# Allegro board rt1064_brkout_new_mem_layout.brd (continued)
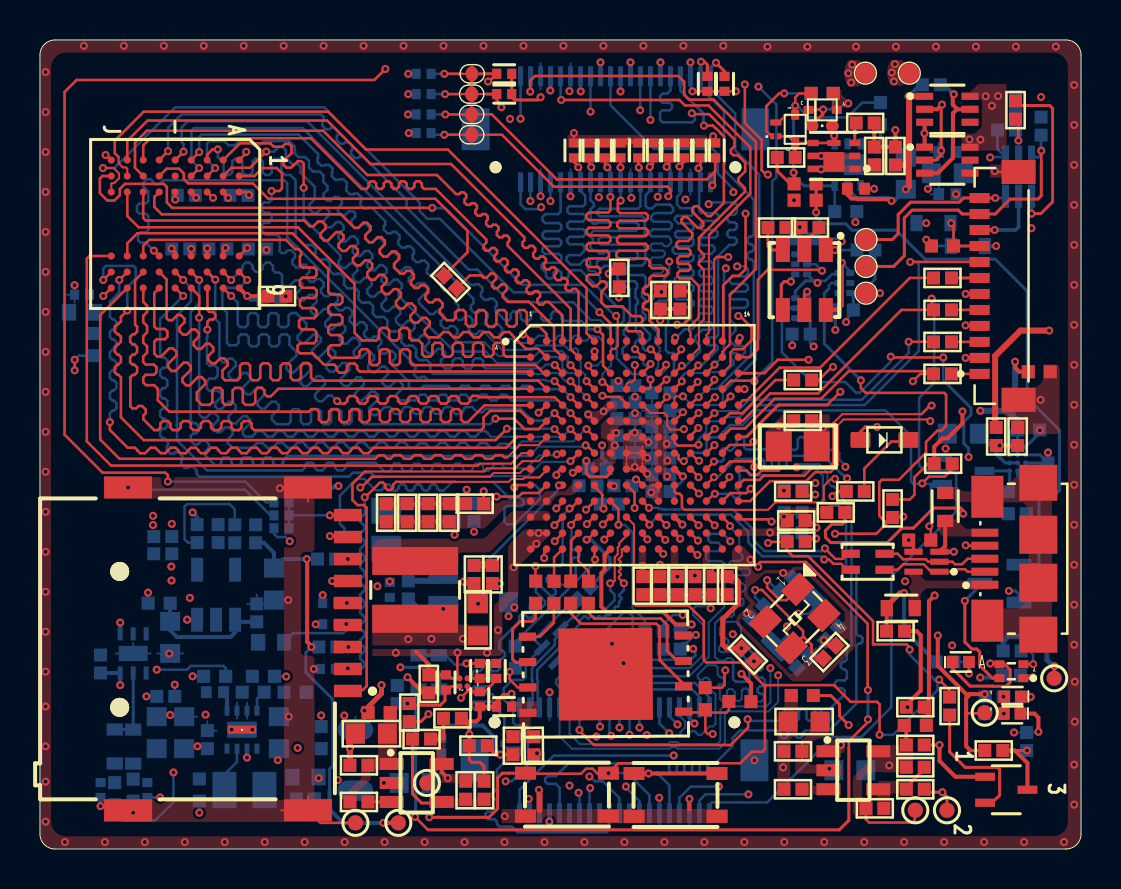
[diagram p0: board, top side]
## Footprints (pads in the part's own frame, mm; a bottom-side part is the same pattern mirrored in y, then rotated) (continued)
IND_18A-101M
  rect 1.397x4.293 smd: 1(-1.448,0) 2(1.448,0)
IND_1608
  rect 0.61x0.813 smd: 1(-0.7,0) 2(0.7,0)
INDC2016X100N
  rect 1.2x1.82 smd: 1(-1,0) 2(1,0)
IS25WP064A-JKLE_ISI
  rect 0.864x0.406 smd: 1(-3.898,1.905) 2(-3.898,0.635) 3(-3.898,-0.635) 4(-3.898,-1.905) 5(3.898,-1.905) 6(3.898,-0.635) 7(3.898,0.635) 8(3.898,1.905)
  rect 4.699x4.597 smd: 9(0,0)
JST_SM12B-SURS-TFLFSN
  rect 0.5x1 smd: 1(-4.4,0) 2(-3.6,0) 3(-2.8,0) 4(-2,0) 5(-1.2,0) 6(-0.4,0) 7(0.4,0) 8(1.2,0) 9(2,0) 10(2.8,0) 11(3.6,0) 12(4.4,0)
  rect 1.2x1.7 smd: S1(-5.7,-1.95) S2(5.7,-1.95)
LED_XZVGMDK53W-9
  rect 0.5x0.4 smd: 1(0.6,-0.35) 2(-0.6,-0.35) 3(0.6,0.35) 4(-0.6,0.35)
LEDC1005X35N_GRN
  custom 0.59x0.61 smd: A(0.415,0) C(-0.415,0)
MICROFET6_2X2_ONS
  rect 0.55x0.32 smd: 1(-1.041,0.65) 2(-1.041,0) 3(-1.041,-0.65) 4(1.041,-0.65) 5(1.041,0) 6(1.041,0.65)
  rect 1.041x0.991 smd: 7(0,0.3)
  rect 0.66x0.305 smd: 8(0,-0.65)
MMBT3906LP
  rect 0.305x0.203 smd: 1(-0.343,0.175) 2(-0.343,-0.175)
  rect 0.305x0.559 smd: 3(0.343,0)
PSON50P145X100X60-6N
  custom 0.42x0.3 smd: 1(-0.29,0.5)
  custom 0.41x0.3 smd: 2(-0.295,0) 3(-0.295,-0.5) 4(0.295,-0.5) 5(0.295,0) 6(0.295,0.5)
R0402
  rect 0.65x0.65 smd: 1(-0.451,0) 2(0.451,0)
R0402N
  rect 0.656x0.656 smd: 1(-0.553,0) 2(0.553,0)
RC0402_25
  round 0.635 smd: 1(-0.508,0) 2(0.508,0)
SC-70-3
  rect 0.406x0.991 smd: 1(-0.65,-1.06) 2(0.65,-1.06) 3(0,1.06)
SOD523
  rect 0.61x0.813 smd: A(0.85,0) C(-0.85,0)
SOD_323
  rrect 1x0.8 smd: 1(-1.2,0) 2(1.2,0)
SODFL1608X65N
  custom 0.5x0.4 smd: A(0.73,0) C(-0.68,0)
SOLDER_JMPX4
  custom 0.396x0.8 smd: 1(0.02,0) 3(0.02,-1.016) 4(0.285,-1.016) 5(0.02,-2.032) 6(0.285,-2.032) 7(0.02,-3.048) 8(0.259,-3.048)
  custom 0.396x0.8 smd rot 179.7: 2(0.285,0)
SOT95P230X110-3N
  custom 1.26x0.59 smd: 1(-0.98,0.95) 2(-0.98,-0.95) 3(0.98,0)
SOT95P282X145-5N
  rect 1.2x0.6 smd: 1(-1.25,0.95) 2(-1.25,0) 3(-1.25,-0.95) 4(1.25,-0.95) 5(1.25,0.95)
SOT323_3
  rect 0.406x0.991 smd: 1(0.65,-1.06) 2(-0.65,-1.06) 3(0,1.06)
TDFN-6_MCH
  rect 0.66x0.254 smd: 1(-0.978,0.65) 2(-0.978,0) 3(-0.978,-0.65) 4(0.978,-0.65) 5(0.978,0) 6(0.978,0.65)
  rect 0.762x1.448 smd: 7(0,0)
TESTPOINT_1MM
  round 1 smd: 1(0,0)
TLV62084DSGR
  rect 0.5x0.25 smd: 1(-0.95,0.75) 2(-0.95,0.25) 3(-0.95,-0.25) 4(-0.95,-0.75) 5(0.95,-0.75) 6(0.95,-0.25) 7(0.95,0.25) 8(0.95,0.75)
  custom 0.4x1.4 hole 0.2: 9(0,0)
TPAD_030
  round 0.762 smd: 1(0,0)
VFBGA54_8X8
  round 0.356 smd: A1(-3.2,3.2) A2(-2.4,3.2) A3(-1.6,3.2) A7(1.6,3.2) A8(2.4,3.2) A9(3.2,3.2) B1(-3.2,2.4) B2(-2.4,2.4) B3(-1.6,2.4) B7(1.6,2.4) B8(2.4,2.4) B9(3.2,2.4) C1(-3.2,1.6) C2(-2.4,1.6) C3(-1.6,1.6) C7(1.6,1.6) C8(2.4,1.6) C9(3.2,1.6) D1(-3.2,0.8) D2(-2.4,0.8) D3(-1.6,0.8) D7(1.6,0.8) D8(2.4,0.8) D9(3.2,0.8) E1(-3.2,0) E2(-2.4,0) E3(-1.6,0) E7(1.6,0) E8(2.4,0) E9(3.2,0) F1(-3.2,-0.8) F2(-2.4,-0.8) F3(-1.6,-0.8) F7(1.6,-0.8) F8(2.4,-0.8) F9(3.2,-0.8) G1(-3.2,-1.6) G2(-2.4,-1.6) G3(-1.6,-1.6) G7(1.6,-1.6) G8(2.4,-1.6) G9(3.2,-1.6) H1(-3.2,-2.4) H2(-2.4,-2.4) H3(-1.6,-2.4) H7(1.6,-2.4) H8(2.4,-2.4) H9(3.2,-2.4) J1(-3.2,-3.2) J2(-2.4,-3.2) J3(-1.6,-3.2) J7(1.6,-3.2) J8(2.4,-3.2) J9(3.2,-3.2)
WLCSP12_0P4_1P38X1P68MM_SMDP
  round 0.254 smd: A1(-0.4,0.6) A2(0,0.6) A3(0.4,0.6) B1(-0.4,0.2) B2(0,0.2) B3(0.4,0.2) C1(-0.4,-0.2) C2(0,-0.2) C3(0.4,-0.2) D1(-0.4,-0.6) D2(0,-0.6) D3(0.4,-0.6)
WURTH_6PLCC_150353M153300
  rect 1.2x0.7 smd: 1(-1.5,1.075) 2(1.5,1.075) 3(-1.5,0) 4(1.5,0) 5(-1.5,-1.075) 6(1.5,-1.075)
WURTH_434133025816
  rect 1.05x0.65 smd: 1(-2.075,1.075) 2(2.075,1.075) 3(-2.075,-1.075) 4(2.075,-1.075)
X2_SMD_3_2X1_5MM
  rrect 0.762x1.524 smd: 1(-1.524,0) 2(1.524,0)
X4-SMD-3_2X2_5X1_0MM
  rect 1.321x1.067 smd: 1(-1.15,-0.925) 2(1.15,-0.925) 3(1.15,0.925) 4(-1.15,0.925)

## Nets
3V3_REG: C18.1 C26.1 C29.1 C30.1 FB6.1 R32.1 R52.1 R53.1 TP30.1 U2.6 U4.5(\VOUT\)
5V_EXT: C5.1 C6.1 C8.1 C118.1 Q2.1 Q2.2 Q2.5 Q2.6 Q2.7 R114.1 U17.1
5V_SYS: C116.1 C117.1 C119.1 C120.1 C125.2 R4.1 R17.1 R31.1 R36.1 R82.1 TP32.1 U17.6(\VOUT\) U18.6(\VOUT\) U20.5(\VCC\)
5V_USB_HOST: C109.1 U7.P6
5V_USB_OTG: C101.1 C108.1 C122.1 C123.1 L5.2 R115.1 U7.N6 U11.C2 U11.D1 U11.D2 U17.3 U18.1
GND_SIGNAL: C1.2 C2.2 C3.2 C5.2 C6.2 C9.2 C10.2 C11.2 C12.2 C13.2 C14.2 C15.2 C16.2 C18.2 C19.2 C22.2 C23.2 C24.2 C25.2 C27.2 C28.2 C29.2 C30.2 C31.2 C32.2 C34.2 C35.2 C36.2 C37.2 C38.2 C39.2 C40.2 C41.2 C42.2 C43.2 C44.2 C45.2 C46.2 C47.2 C48.2 C49.2 C50.2 C51.2 C52.2 C53.2 C54.2 C55.2 C56.2 C57.2 C58.2 C59.2 C60.2 C61.2 C62.2 C63.2 C64.2 C65.2 C66.2 C67.2 C68.2 C69.2 C70.2 C71.2 C72.2 C73.2 C74.2 C75.2 C76.2 C77.2 C78.2 C79.2 C80.2 C81.2 C82.2 C83.2 C84.2 C85.2 C86.2 C87.2 C88.2 C89.2 C90.2 C91.2 C92.2 C93.2 C94.2 C95.2 C96.2 C97.2 C99.2 C100.2 C101.2 C106.2 C107.2 C108.2 C109.2 C110.2 C111.2 C112.1 C113.2 C115.2 C116.2 C117.2 C118.2 C119.2 C120.2 C121.2 C122.2 C123.2 C124.2 C125.1 C126.2 C127.2 C128.2 D2.4(\CATHODE2\) D3.A D7.C(\CATHODE\) D14.C(\CATHODE\) J1.6(\VSS\) J1.SH1 J1.SH2 J1.SH3 J1.SH4 J2.5 J4.4 J4.6 J4.10 J4.S1(\SH\) J4.S2 J5.5 J5.6 J5.11 J5.12 J5.17 J5.18 J5.23 J5.24 J5.29 J5.30 J5.35 J5.36 J5.S1 J5.S2(\SHIELD__1\) J6.1 J6.6 J6.7 J6.12 J6.18 J6.24 J6.30 J6.36 J6.S1 J6.S2(\SHIELD__1\) L7.2 Q4.2(\SOURCE\) Q5.1(\SOURCE\) R8.2 R11.2 R13.2 R22.2 R26.2 R30.2 R33.2 R39.2 R46.2 R51.2 R60.1 R61.1 R62.1 R63.1 R64.1 R65.1 R66.1 R67.1 R68.1 R69.1 R70.1 R71.1 R72.1 R73.1 R80.2 R81.2 R86.2 R109.2 SW1.1 SW1.2 SW2.1 SW2.2 TP15.1 TP16.1 TP17.1 TP19.1 U1.2 U1.3 U1.9 U2.2 U2.7 U3.2 U4.2 U5.B2 U6.2 U7.A1 U7.A14 U7.B5 U7.B10 U7.E2 U7.E13 U7.G7 U7.G8 U7.H7 U7.H8 U7.J7 U7.J8 U7.K2 U7.K6 U7.K9 U7.K13 U7.L9 U7.N1 U7.N2 U7.N5 U7.N8 U7.P1 U7.P14 U8.1 U9.A1 U9.A3 U9.B7 U9.C3 U9.D7 U9.E3 U9.J1 U11.B3 U11.C3 U11.D3 U14.4 U14.9 U16.2 U17.2 U18.2 U19.3 U20.3 U21.3 U22.3 U23.3 X1.2 X1.4
VCC_EMC: C75.1 C76.1 C77.1 FB4.2 U7.E6 U7.F5
VDD_HIGH_IN_3V3: C9.1 C51.1 C52.1 FB2.2 U7.P12
VDD_SNVS_3V3: C3.1 D11.1 R2.2
VDD_SNVS_CAP: C57.1 C58.1 U7.M10
VDD_SNVS_IN: C59.1 R41.2 R42.1 R43.1 U7.M9
VDD_SOC_IN: C40.1 C41.1 C42.1 C43.1 C44.1 C45.1 C46.1 C47.1 C48.1 C49.1 C50.1 R40.1 U7.F6 U7.F7 U7.F8 U7.F9 U7.G6 U7.G9 U7.H6 U7.H9 U7.J5 U7.J9
VDD_USB_3V: C106.1 C107.1 U7.K8
VDDA_1V1_CAP: C55.1 C56.1 U7.P10
VDDA_2V5_CAP: C53.1 C54.1 U7.P8
VDDA_ADC_3V3: C1.1 C38.1 C39.1 FB1.2 U7.N14
DBG_UART1_RXD: J4.11 R109.1 TP4.1 U16.6
DBG_UART1_TXD: J4.12 TP5.1 U16.3
DC_5V_IN: C2.1 J6.15 J6.19 J6.23 J6.27 J6.31 J6.35 Q1.1 Q1.2 Q1.5 Q1.6 Q1.7 R3.1 TP1.1(\PIN1\)
DCDC_3V3: C14.1 C15.1 C31.1 C112.2 C115.1 C126.1 C127.1 C128.1 D12.A FB1.1 FB2.1 FB4.1 FB5.1 J4.2 L1.2 L4.1 L12.1 R15.1 R19.1 R23.1 R24.1 R27.1 R34.1 R45.1 R48.1 R49.1 R56.1 R57.1 R58.1 R59.1 R77.1 R83.1 R85.1 R107.1 R108.1 R116.1 R117.2 R118.2 TP9.1 U1.5(\VOS\) U5.A1 U16.5(\VCC\) U21.6 U22.6 U23.6
DCDC_3V3_PG: R23.2 U1.6 U4.3
DCDC_OUT: C67.1 C68.1 C69.1 L3.2 R40.2
ENET_INT: J6.38 R113.1 U7.G13
ENET_MDC: U7.A7
ENET_MDIO: U7.C7
ENET_RST: J6.40 R111.1 U7.F14
FLASH_VCC: C113.1 FB7.1 FB8.2 L11.2 R97.1
FLEXSPI_CLK: R105.1 U7.L4
FLEXSPI_DATA0: R100.2 U7.P3
FLEXSPI_DATA1: R102.2 U7.N4
FLEXSPI_DATA2: R103.2 U7.P4
FLEXSPI_DATA3: R104.2 U7.P5
FLEXSPI_SS0: R101.1 U7.L3
GPANAIO: U7.N10
GPIO_AD_B0_00: R48.2 U7.M14 U21.2
GPIO_AD_B0_01: Q5.2 R49.2 R87.2 U7.H10
GPIO_AD_B0_02: U7.M11
GPIO_AD_B0_03: U7.G11 U22.2
GPIO_AD_B0_04: JMP1.7 R72.2 U7.F11
GPIO_AD_B0_05: JMP1.5(\B4\) R73.2 U7.G14
GPIO_AD_B0_14: U7.H14
GPIO_AD_B0_15: U7.L10
GPIO_AD_B1_02: U7.L11
GPIO_AD_B1_04: J6.13 U7.L12
GPIO_AD_B1_05: J6.17 U7.K12
GPIO_AD_B1_06: J6.21 U7.J12
GPIO_AD_B1_07: J6.25 U7.K10
GPIO_AD_B1_08: J6.29 U7.H13
GPIO_AD_B1_09: J6.33 U7.M13
GPIO_AD_B1_10: J6.37 U7.L13
GPIO_AD_B1_11: J6.39 U7.J13
GPIO_AD_B1_12: J6.2 U7.H12
GPIO_AD_B1_13: J6.4 U7.H11
GPIO_AD_B1_14: J6.8 U7.G12
GPIO_AD_B1_15: J6.10 U7.J14
GPIO_B0_00: J5.39 U7.D7
GPIO_B0_01: J5.37 U7.E7
GPIO_B0_02: J5.33 U7.E8
GPIO_B0_03: J5.31 U7.D8
GPIO_B0_04: J5.27 R60.2 U7.C8
GPIO_B0_05: J5.25 R61.2 U7.B8
GPIO_B0_06: J5.21 R62.2 U7.A8
GPIO_B0_07: J5.19 R63.2 U7.A9
GPIO_B0_08: J5.15 R64.2 U7.B9
GPIO_B0_09: J5.13 R65.2 U7.C9
GPIO_B0_10: J5.9 JMP1.1 R66.2 U7.D9
GPIO_B0_11: J5.7 R67.2 U7.A10
GPIO_B0_12: J5.3 R68.2 U7.C10
GPIO_B0_13: J5.1 JMP1.3 R69.2 U7.D10
GPIO_B0_14: J5.2 R70.2 U7.E10
GPIO_B0_15: J5.4 R71.2 U7.E11
GPIO_B1_00: J5.8 U7.A11
GPIO_B1_01: J5.10 U7.B11
GPIO_B1_02: J5.14 U7.C11
GPIO_B1_03: J5.16 U7.D11
GPIO_B1_04: J5.20 U7.E12
GPIO_B1_05: J5.22 U7.D12
GPIO_B1_06: J5.26 U7.C12
GPIO_B1_07: J5.28 U7.B12
GPIO_B1_08: J5.32 U7.A12
GPIO_B1_09: J5.34 U7.A13
GPIO_B1_10: J5.38 U7.B13
GPIO_B1_11: J5.40 U7.C13
GPIO_B1_14: J6.34 U7.C14
GPIO_B1_15: U7.B14 U23.2
GPIO_SD_B1_01: J6.14 U7.M5
GPIO_SD_B1_02: J6.16 U7.M3
GPIO_SD_B1_03: J6.20 U7.M4
GPIO_SD_B1_04: J6.22 U7.P2
GPIO_SD_B1_05: J6.26 U7.N3
I2C1_SCL: J6.9 U7.J11
I2C1_SDA: J6.11 U7.K11
JTAG_NSRST: D13.C(\C\) J4.9 R106.2
JTAG_NTRST: J4.8 U7.G10
JTAG_TCK: R112.1 U7.F12
JTAG_TMS: R110.1 U7.E14
LDO_1V8: C21.1 C24.1 C25.1 L11.1 R29.1 TP29.1 U3.5(\VOUT\)
MCU_DCDC_IN_3V3: C10.1 C62.1 C63.1 C64.1 C65.1 C66.1 L12.2 R47.2 U7.K4 U7.L1 U7.L2
MCU_ON/OFF: J6.32 SW1.3 SW1.4(\B2\) U7.M6
MR: D6.A D8.A U2.5
NVCC_GPIO_3V3: C78.1 C79.1 C80.1 C81.1 FB5.2 U7.E9 U7.F10 U7.J10(\NVCC_GPIO_3\)
NVCC_SD0: C82.1 C83.1 C124.1 FB6.2 U7.J6
NVCC_SD1: C84.1 C85.1 FB7.2 U7.K5
OVR_V_CTL: D3.C(\CATHODE\) R5.2 R6.1
OVR_V_FLAG: C7.2 D1.A Q2.3 Q3.3 R7.2 R10.1 R11.1 R12.1
PMIC_ON_REQ: R21.2 U7.K7
POR_B: C61.1 D10.C(\C\) D13.A J6.28 R25.1 R43.2 R44.2 SW2.3 SW2.4(\B2\) U7.M7
PWR_IN: C7.1 D1.C(\CATHODE\) Q1.4 Q1.8(\S2\) Q2.4 Q2.8(\S2\) Q3.2(\E\) R5.1 R7.1
SD1_CLK: R79.1 U7.J3
SD1_CMD: J1.3 R52.2 U7.J4
SD1_D0: J1.7 R53.2 U7.J1
SD1_D1: J1.8 U7.K1
SD1_D2: J1.1 U7.H2
SD1_D3: J1.2 R81.1 U7.J2
SD_CD_SW: R78.2 U7.D13
SD_PWREN: D9.C(\C\) U7.M12
SDRAM_3V3: C86.1 C87.1 C88.1 C89.1 C90.1 C91.1 C92.1 C93.1 C94.1 L4.2 U9.A7 U9.A9 U9.B3 U9.C7 U9.D3 U9.E7 U9.J9
SDRAM_CLK: R74.2 U9.F2
SEMC_A0: U7.C2 U9.H7
SEMC_A1: U7.G1 U9.H8
SEMC_A2: U7.G3 U9.J8
SEMC_A3: U7.H1 U9.J7
SEMC_A4: U7.A6 U9.J3
SEMC_A5: U7.B6 U9.J2
SEMC_A6: U7.B1 U9.H3
SEMC_A7: U7.A5 U9.H2
SEMC_A8: U7.A4 U9.H1
SEMC_A9: U7.B2 U9.G3
SEMC_A10: U7.G2 U9.H9
SEMC_A11: U7.B4 U9.G2
SEMC_A12: U7.A3 U9.G1
SEMC_BA0: U7.C1 U9.G7
SEMC_BA1: U7.F1 U9.G8
SEMC_CAS: U7.D3 U9.F7
SEMC_CKE: U7.A2 U9.F3
SEMC_CLK: R74.1 U7.B3
SEMC_CS0: U7.E1 U9.G9
SEMC_D0: U7.E3 U9.A8
SEMC_D1: U7.F3 U9.B9
SEMC_D2: U7.F4 U9.B8
SEMC_D3: U7.G4 U9.C9
SEMC_D4: U7.F2 U9.C8
SEMC_D5: U7.G5 U9.D9
SEMC_D6: U7.H5 U9.D8
SEMC_D7: U7.H4 U9.E9
SEMC_D8: U7.C6 U9.E1
SEMC_D9: U7.C5 U9.D2
SEMC_D10: U7.D5 U9.D1
SEMC_D11: U7.C4 U9.C2
SEMC_D12: U7.D4 U9.C1
SEMC_D13: U7.E5 U9.B2
SEMC_D14: U7.C3 U9.B1
SEMC_D15: U7.E4 U9.A2
SEMC_DM0: U7.H3 U9.E8
SEMC_DM1: U7.D6 U9.F1
SEMC_DQS: U7.B7
SEMC_RAS: U7.D2 U9.F8
SEMC_WE: U7.D1 U9.F9(\W\\E\\\)
TCK: J4.3 R112.2
TDI: J4.5 R111.2
TDO: J4.1 R113.2
TMS: J4.7 R110.2
UART1_RXD: R107.2 U7.L14 U16.1
UART1_TXD: R108.2 U7.K14 U16.4
USB_OTG1_DN: L6.2 U7.M8
USB_OTG1_DP: L6.3 U7.L8
USB_OTG2_DN: J6.3 U7.N7 U20.1
USB_OTG2_DP: J6.5 U7.P7 U20.2
USER_BUTTON: R42.2 U7.L6
USER_LED: D5.C(\CATHODE\) U7.L5
VLDO_3V3: C33.1 C36.1 C37.1 R2.1 R38.1 TP31.1 U6.5(\VOUT\)
VSD_3V3: C32.1 C121.1 FB3.1 U5.A2(\VOUT\)
WDOG_B: C20.1 U7.D14
N2518472: R51.1 U7.F13
N2544181: J2.1 L5.1 U19.5(\VCC\)
N2544325: J2.2 L6.1 U19.1
N2544379: J2.3 L6.4 U19.2
N2544429: J2.4 R87.1 U19.4
N2544493: C99.1 C100.1 R82.2 U11.B1 U11.B2 U11.C1(\VINT3\)
N2544599: J2.SH1 J2.SH2 J2.SH3 J2.SH4 J2.SH5 J2.SH6(\SH6\) L7.1
N2544755: R83.2 U11.A2
N2544847: R86.1 U11.A3
N2544899: Q5.3 R85.2 U11.A1
N2574261: D11.2(\C\) R41.1
N2574737: C60.1 R45.2 U8.3(\VCC\)
N2574749: R44.1 U8.2
N2575113: C70.1 R46.1 U7.P11 X1.3
N2575129: L3.1 U7.M1 U7.M2
N2575185: C71.1 U7.N11 X1.1
N2575229: C72.1 U7.N9 X2.1
N2575237: C74.1 R47.1 U7.K3
N2575341: C73.1 U7.P9 X2.2
N2593436: C110.1 C111.1 FB8.1 U14.8
N2594008: R97.2 R101.2 U14.1
N2594176: R100.1 U14.5
N2594270: R102.1 U14.2
N2594358: R103.1 U14.3(\W\\P\\_IO2\)
N2594498: R104.1 U14.7
N2594540: R105.2 U14.6
N2840328: D2.1 R3.2
N2840332: D2.3 R4.2
N2840672: Q3.1 R6.2
N2840714: C8.2 R10.2
N2840896: Q4.1 R12.2 R13.1
N2841110: D5.A R15.2
N2841268: C11.1 C12.1 C13.1 R17.2 R18.1 U1.8
N2841304: L1.1 U1.7
N2841570: C16.1 R18.2 R21.1 U1.1 U2.1
N2841578: R19.2 R22.1 U1.4
N2841972: C19.1 D6.C(\C\) R25.2
N2842142: C20.2 D8.C(\C\) R26.1
N2842346: C22.1 C23.1 R27.2 R28.1 U3.1
N2842438: R28.2 U3.3
N2842520: C21.2 R29.2 R30.1 U3.4
N2842740: C27.1 C28.1 R31.2 U4.1
N2842860: C26.2 R32.2 R33.1 U4.4
N2843292: C34.1 C35.1 R36.2 R37.1 U6.1
N2843384: R37.2 U6.3
N2843470: C33.2 R38.2 R39.1 U6.4
N2892984: R35.2 U5.B1
N2893068: D9.A D10.A R34.2 R35.1
N2897276: R114.2 U17.5 U18.3
N2913252: JMP1.2 R56.2
N2913256: JMP1.4 R57.2
N2913260: JMP1.6 R58.2
N2913264: JMP1.8 R59.2
N3026246: J1.9 R77.2 R78.1 R80.1
N3028636: C95.1 C96.1 C97.1 FB3.2 J1.4
N3028892: J1.5 R79.2
N3035991: D2.2 Q4.3
N3059217: D15.6 U23.4(\Y\)
N3059221: D15.4 U22.4(\Y\)
N3059225: D15.2 U21.4(\Y\)
N3059229: D15.1 R116.2
N3059233: D15.3 R117.1
N3059237: D15.5 R118.1
N28147150: D12.C(\C\) R106.1
N28398882: Q1.3 R8.1
N28418741: D7.A R24.2
N30039441: D14.A R115.2

Pads without a net: U2 3 4; U7 L7 N12 N13 P13; U9 E2; U17 4; U18 4 5; U20 4; U21 1 5; U22 1 5; U23 1 5

## Via types
v1: diameter 0.4, hole 0.2, TOP to BOTTOM, 644 vias

## Routing (per net, layer and track width the routed paths; a pad name or vN(x,y) marks a point on that pad's centre or on a via; arc(x,y) is an arc through that point)
3V3_REG: length 31.7
  TOP w0.2: v1(13.58,10.11) 13.58,10.16 13.37,10.37 13.37,14.49 v1(13.35,14.51) ; TP30.1 v1(17.18,1.31)
  SIG1 w0.127: v1(6.58,13.43) 6.45,13.57
  SIG1 w0.2: v1(6.57,14.13) 6.57,13.44 ; 6.45,13.57 5.32,13.57 3.5,11.75 3.5,10.57 4.01,10.05 v1(4.01,8.2)
  BOTTOM w0.127: R52.1 v1(13.58,10.11)
  BOTTOM w0.15: v1(13.58,10.11) 13.3,9.83 13.3,8.84 14.65,7.49 14.65,4.15 14.49,4 14.49,2.95
  BOTTOM w0.2: R32.1 11.21,15.32 11.71,14.82 C29.1 12.16,14.51 v1(13.35,14.51) R53.1 ; 14.49,2.95 14.49,1.98 15.17,1.3 17.17,1.3 v1(17.18,1.31) ; C18.1 U2.6 v1(4.01,8.2)
5V_EXT: length 13.3
  TOP w0.2: 43.49,37.63 v1(43.47,37.66) ; v1(42.61,32.43) 42.53,32.51 40.9,32.51 40.86,32.54 40.6,32.54 40.4,32.74 C6.1
  TOP w0.3: v1(43.33,33) 43.48,33.16 43.48,34.19 43.45,34.22 ; 43.45,34.22 43.49,34.26 43.49,37.63 ; 43.45,34.22 C5.1 ; U17.1 v1(43.47,37.66)
  BOTTOM w0.2: Q2.2 40.42,33 40.85,32.57 42.47,32.57 v1(42.61,32.43) 42.75,32.43 v1(43.33,33) ; R114.1 44.04,38.23 v1(43.47,37.66)
5V_SYS: length 58.5
  TOP w0.15: v1(40.47,6.2) 40.01,6.66 40.01,7.24 39.57,7.68 R36.1 ; v1(50.76,9.15) 50.75,9.14 TP32.1
  TOP w0.3: v1(50.5,25.94) 49.07,25.94 47.8,24.67 47.8,21.14 R82.1
  SIG1 w0.3: v1(5.41,12.83) 5.41,10.14 6.4,9.16 6.4,8.73 6,8.34 6,3.84 7.06,2.78 7.64,2.78 7.92,2.5 7.92,1.87 v1(7.97,1.82)
  POWER w0.2: v1(46.51,35.5) 46.55,35.5 ; v1(40.47,6.2) 39.73,6.94 26.79,6.94 26.54,6.69 26.54,3.87 26.36,3.69
  BOTTOM w0.127: C125.2 26.73,12.48 24.79,10.54 24.79,10.42 U20.5 24.31,9.26 24.31,8.62 24.31,8.61 24.16,8.46 23.63,8.46 23.21,8.04 23.21,7.48 23.68,7 23.68,6.32 23.81,6.19 24.29,6.19 24.42,6.07 24.42,4.19 23.61,3.39 v1(23.3,3.39)
  BOTTOM w0.2: R31.1 v1(5.41,12.83) ; C117.1 45.88,34.87 ; v1(7.97,1.82) R17.1
  BOTTOM w0.25: v1(50.76,9.15) 50.7,9.15 50.39,9.46 50.39,10.42 50.18,10.62 48.45,10.62 48.2,10.37 R4.1
  vias: v1(14.9,3.45) v1(45.84,32.76) v1(47.06,35.49) v1(47.32,37.66) v1(47.63,37.18) v1(47.94,37.67)
5V_USB_HOST: length 8.7
  TOP w0.2: v1(32.61,11.23) 31.81,11.23 31.19,11.85 28.37,11.85 28.09,12.13 28.09,13.8 28.25,13.96 28.25,14.71 U7.P6
  BOTTOM w0.127: v1(32.61,11.23) 32.27,10.9 C109.1
5V_USB_OTG: length 50.8
  TOP w0.127: U7.N6 28.55,15.79 v1(28.24,15.48)
  TOP w0.2: U17.3 44.27,35.82 v1(44.26,35.81) 44.27,35.8 U18.1 ; C123.1 49.01,23.88 48.8,24.09 v1(48.8,24.38) ; C122.1 42.36,11.43 42.38,11.44 L5.2
  TOP w0.25: L5.2 42.38,12.15 43.03,12.8 v1(43.24,12.8)
  SIG1 w0.2: v1(47.05,21.92) 47.17,21.81 47.17,13.48 46.8,13.11 43.63,13.11 43.4,12.89 43.33,12.89 v1(43.24,12.8)
  SIG1 w0.3: v1(44.26,35.81) 44.38,35.69 45.45,35.69 45.62,35.52 45.62,34 48.8,30.83 v1(48.8,24.38)
  POWER w0.3: v1(32.17,11.71) 31.75,11.71 28.24,15.22 v1(28.24,15.48)
  BOTTOM w0.127: C108.1 31.19,11.23 31.67,11.71 v1(32.17,11.71)
  BOTTOM w0.15: 48.64,20.96 48.51,20.83 48.51,20.13 U11.D1 ; U11.C2 U11.D2 48.93,20.12 C101.1
  BOTTOM w0.2: C101.1 48.64,20.96 ; v1(43.24,12.8) 43.24,10.95 R115.1 ; v1(47.05,21.92) 47.01,21.88
  BOTTOM w0.3: 48.54,21.79 48.59,21.79 48.8,21.99 v1(48.8,24.38) ; 48.54,21.79 48.93,21.41 C101.1 ; 48.54,21.79 48.41,21.92 v1(47.05,21.92)
  vias: v1(34.67,10.75)
GND_SIGNAL: length 195.9
  TOP w0.09: 20,17.27 C62.2 20.96,17.27 ; 30.61,18.21 U7.K9 30.95,17.87 ; R69.1 33.79,35.55 v1(33.68,35.66) ; 12.06,1.94 J1.SH3 13.41,2.64 ; 39.1,21.42 C49.2 38.62,20.94 ; 13.41,17.38 J1.SH2 12.06,18.09 ; 18.85,17.27 C63.2 17.9,17.27 ; 30.15,19.47 U7.H8 ; U7.H8 30.15,20.14 ; U7.H8 29.81,19.81 ; U7.H7 29.69,19.81 ; U7.H7 29.35,20.14 ; U7.H7 29.35,19.47 ; 38.13,4.41 C35.2 38.13,5.37 ; U7.N2 v1(24.95,15.81) ; 27.07,35.32 R61.1 27.89,35.32 ; 31.08,35.32 R66.1 31.89,35.32 ; 30.27,35.32 R65.1 31.08,35.32 ; 33.46,35.32 R68.1 R67.1 31.83,35.32 ; 27.13,35.32 R60.1 26.72,35.71 ; 29.53,35.32 R64.1 30.35,35.32 ; 28.64,35.32 R63.1 29.46,35.32 ; 28.69,35.32 R62.1 27.87,35.32 ; 27.75,15.8 U7.N5 ; 29.69,19.01 U7.J7 29.35,19.34 ; 30.15,19.34 U7.J8 29.81,19.01 ; 19.9,17.27 C64.2 18.95,17.27
  TOP w0.102: v1(38.86,16.07) 38.49,16.43 C38.2
  TOP w0.127: J4.4 46.35,26.17 v1(46.32,26.2) ; v1(10.46,32.72) 10.31,32.87 U9.A3 ; v1(10.32,34.88) 10.32,34.82 U9.A1 ; 34.39,22.47 34.39,22.46 ; 34.39,22.47 34.15,22.23 U7.E13 ; 34.39,22.47 v1(34.56,22.64) ; U7.B10 32.03,24.89 32.03,24.94 v1(32.09,25) ; J4.6 v1(46.32,27.77) ; v1(35.02,25.57) 34.95,25.51 U7.A14 ; v1(34.82,37.91) R70.1 R71.1 v1(32.65,37.91) ; 28.29,8.77 U14.9 ; U7.H8 v1(30.39,19.57) ; v1(22.85,17.63) 23.96,17.63 24.14,17.81 24.95,17.81 U7.K2 ; v1(30.39,15.49) 30.15,15.73 U7.N8 ; v1(34.5,18.61) 34.52,18.61 34.56,18.65 34.56,18.61 U7.K13 ; U9.E3 v1(6.77,32.49) ; U7.G8 30.41,20.34 30.52,20.34 30.53,20.34 30.45,20.34 ; U9.C3 v1(8.66,32.58) ; R51.2 38.97,23.46 39.63,24.12 v1(39.68,24.12) ; v1(24.95,21.83) 25.33,22.21 U7.E2 ; v1(9.28,30.07) 9.17,29.95 U9.B7 ; U7.A1 24.55,25.43 24.45,25.53 24.45,25.58 24.32,25.7 24.27,25.7 24.23,25.74 v1(24.17,25.74) ; J1.SH3 14.04,1.31 TP17.1 ; U9.J1 3.32,34.72 v1(3.28,34.72) ; TP15.1 v1(42.04,27.81) ; C9.2 C51.2 v1(33.23,12.73) C58.2 C56.2 v1(31.48,12.73) C59.2 C53.2 ; 34.09,1.63 SW1.1 ; C32.2 20.43,8.71 20.61,8.54 U5.B2 20.88,8.65 20.88,9.68 20.99,9.79 20.96,9.82 v1(20.89,9.82) ; v1(27.35,15.48) 27.39,15.48 27.47,15.56 27.48,15.56 27.73,15.81 U7.N5 ; U9.D7 v1(7.57,30.03) ; v1(29.76,20.83) 29.74,20.85 29.57,20.85 29.35,20.63 U7.G7 ; U7.B5 v1(27.75,24.89)
  TOP w0.131: J4.S2 47.95,33.87 47.9,33.92 v1(47.78,33.92) ; 48.23,9.28 48.05,9.28 D2.4
  TOP w0.147: R73.1 23.61,37.62 23.75,37.47 24.91,37.47 v1(25.05,37.61) ; R39.2 44.4,2.84 v1(45.16,2.84) ; U14.4 32.67,10.68 32.7,10.71 v1(32.82,10.71) ; C37.2 v1(45.01,5.2) ; 23.61,38.95 R72.1
  TOP w0.15: 45.66,9.03 46.54,8.15 47.67,8.15 47.68,8.14 48.34,8.14 48.55,8.35 48.55,8.96 48.23,9.28 ; R72.1 R73.1 ; C121.2 19.06,6.38 v1(19.44,6.75) ; U18.2 44.84,34.46 45.1,34.72 v1(45.1,34.94) 45.1,37.2 ; C84.2 38.36,17.67 38.71,17.67 38.77,17.73 v1(38.79,17.73) ; v1(45.16,2.84) 45.39,2.62 TP19.1 ; v1(24.87,4.79) 24.8,4.71 C111.2 ; J1.6 v1(14.62,13.41) ; R30.2 22.22,4.13 22.02,4.34 21.61,4.34 21.49,4.46 21.49,5.17 C113.2 ; 45.68,14.87 v1(45.73,14.87) ; C6.2 v1(41.74,33.03)
  TOP w0.16: D14.C 45.66,9.03 ; D2.4 47.97,9.28 47.64,9.28 ; C3.2 v1(43.41,7.1)
  TOP w0.18: J4.10 v1(47.77,30.97)
  TOP w0.2: v1(32.5,2.51) 32.49,2.5 32.49,1.97 ; C32.2 C97.2 19.46,9.24 18.84,9.86 18.84,9.86 ; 21.49,5.17 v1(21.49,5.73) 21.49,6.14 21.25,6.38 ; 30.15,15.88 U7.N8 ; C122.2 43.87,10.9 44.07,10.7 44.07,7.93 43.41,7.27 v1(43.41,7.1) ; v1(28.72,18.15) 28.67,18.21 U7.K6 ; C25.2 21.25,6.38 ; 21.25,6.38 21.83,6.38 22.01,6.55 C31.2 C110.2 22.85,7.36 23.2,7.71 23.52,7.71 23.57,7.76 v1(23.6,7.76) ; 47.64,9.28 v1(47.55,9.28) ; R46.2 39.5,10.17 v1(39.23,10.45) ; D7.C 49.76,6.77 49.96,6.57 v1(49.96,5.86) ; v1(21.19,13.38) 21.24,13.38 21.33,13.28 C74.2 ; 27.75,15.9 U7.N5 ; U8.1 45.81,3.61 45.01,4.41 v1(45.01,5.2) ; U17.2 44.91,37.01 v1(45.14,37.24) ; v1(42.8,35.97) C5.2 C2.2 R8.2 ; L7.2 45.3,15.16 U19.3 45.68,14.87
  TOP w0.3: v1(24.97,2.96) 25,2.93 25,1.95 ; C23.2 v1(15.51,5.04) 15.51,5.5 C22.2 ; C113.2 21.49,5.17
  GND1 w0.09: 10.11,5.4 U1.9 ; U1.9 11.04,5.97 ; U1.9 10.11,6.55 ; U1.9 9.18,5.97
  GND1 w0.2: 21.69,17.44 21.66,17.44 21.61,17.4
  SIG1 w0.127: v1(37.19,13.81) 38.43,12.57 38.43,11.61 37.57,10.75 37.1,10.75 35.95,11.89 35.51,11.89 35.41,11.8 v1(35.38,11.8)
  GND2 w0.09: 10.11,5.4 U1.9 ; U1.9 10.11,6.55 ; U1.9 9.18,5.97 ; U1.9 11.04,5.97
  GND2 w0.2: 39.08,17.91 39.08,17.91 ; 36.58,17.37 36.58,17.3
  BOTTOM w0.09: 30.25,21.53 C75.2 29.78,21.06 ; C42.2 30.62,21.6 ; C42.2 30.14,21.12 ; C42.2 30.62,20.65 ; 30.62,19.87 C43.2 ; C43.2 30.62,20.83 ; C43.2 30.14,20.35 ; 9.86,7.32 U1.2 9.86,6.52 ; 44.61,33.15 C120.2 44.61,34.46 ; C44.2 29.78,20.3 ; C44.2 29.78,19.35 ; C44.2 30.26,19.83 ; 44.55,32.76 C116.2 44.97,33.21 ; U2.7 4.67,10.32 ; U2.7 5.54,9.78 ; U2.7 3.79,9.78 ; 25.5,7.74 J6.7 25.5,6.44 ; 10.36,7.32 U1.3 10.36,6.52 ; 44.55,34.87 C117.2 ; C117.2 44.97,35.33 ; C117.2 44.97,34.42 ; 10.37,12.27 C28.2 ; C28.2 10.85,12.74 ; C28.2 11.32,12.27 ; 32.55,32.7 J5.5 32.55,34.01 ; 32.5,1.14 J6.36 32.5,2.44 ; 26.55,34.01 J5.29 26.55,32.7 ; 39.65,10.11 C72.2 38.98,10.11 ; 1.73,27.33 C87.2 ; C87.2 1.73,28.14 ; C87.2 1.35,27.73 ; 31,2.44 J6.30 31,1.14 ; 7.87,6.62 C12.2 6.56,6.62 ; 43.33,35.23 C118.2 43.98,34.61 ; 26.55,39.31 J5.30 26.55,38 ; 15.79,5.31 C119.2 15.79,6.63 ; 49.85,5.83 C60.2 48.9,5.83 ; 5.86,9.79 C27.2 7.17,9.79 ; 30.25,22.35 C77.2 29.78,21.87 ; C79.2 30.62,22.41 ; C79.2 30.14,21.93 ; C79.2 30.62,21.45 ; 25.05,38 J5.36 25.05,39.31 ; 30.62,19.07 C40.2 ; C40.2 30.62,20.03 ; C40.2 30.14,19.55 ; C41.2 30.26,20.68 ; C41.2 29.78,21.15 ; C41.2 29.78,20.2 ; C107.2 v1(28.72,18.15) ; 32.55,38 J5.6 32.55,39.31 ; 8.85,5.92 C13.2 8.37,6.4 ; 25.05,34.01 J5.35 25.05,32.7 ; 38.86,10.05 C73.2 38.86,9.37 ; 29.55,32.7 J5.17 29.55,34.01 ; 30.62,22.34 C81.2 30.14,22.82
  BOTTOM w0.127: J5.18 v1(29.55,39.36) ; 38.91,28.42 39.3,28.42 39.64,28.76 39.9,28.76 U21.3 ; C109.2 32.04,10.2 32.15,10.31 32.37,10.31 32.77,10.71 v1(32.82,10.71) ; v1(29.78,21.81) 29.78,21.82 29.77,21.82 ; C125.1 27.53,13.13 ; 26.75,9.8 U20.3 ; C71.2 37.5,13.72 37.37,13.72 37.28,13.81 v1(37.19,13.81) ; J5.24 v1(28.05,39.36) ; v1(35.38,11.8) 35.38,11.72 C70.2 ; C89.2 v1(11.33,29.97) ; R81.2 v1(13.7,9.01) ; C96.2 v1(13.8,11.24) ; R80.2 11.54,16.69 10.25,17.98 4.52,17.98 v1(4.41,18.09) ; C77.2 v1(29.78,22.63)
  BOTTOM w0.147: v1(50.44,19.84) R86.2
  BOTTOM w0.15: v1(48.49,12.91) 48.82,12.91 48.99,12.74 Q4.2 ; v1(23.6,7.76) 23.6,7.49 J6.1 ; U11.D3 50.03,20.82 C101.2 ; v1(38.91,28.33) 38.91,28.43 38.71,28.43 ; v1(40.12,30.4) 39.99,30.53 C126.2 ; C128.2 v1(39.8,25.97) ; C19.2 v1(3.03,2.15) ; C48.2 v1(21.72,15.87) ; U22.3 37.8,27.91 38.31,28.43 38.71,28.43 ; 38.71,28.43 U23.3 ; U11.C3 50.04,19.72 R86.2 U11.B3 ; C127.2 v1(37.64,25.19) ; v1(4.67,1.81) R26.2 ; v1(12.01,18.05) C47.2 ; C61.2 v1(5.32,7.64)
  BOTTOM w0.16: 27.57,15.48 v1(27.35,15.48)
  BOTTOM w0.18: v1(47.77,30.97) 48.82,30.97 48.97,31.12 U16.2 ; 27.57,15.48 28.53,14.52 28.53,14.12 27.53,13.13
  BOTTOM w0.2: C46.2 38.87,21.42 v1(39.19,21.09) ; R33.2 7.86,16.62 v1(7.64,16.84) ; v1(28.13,20.19) 28.13,19.57 28.34,19.36 C82.2 ; U1.2 9.83,6.89 ; C29.2 v1(12.42,12.45) ; C72.2 v1(39.23,10.45)
  BOTTOM w0.3: C67.2 19.68,13.41 C69.2
  vias: v1(0.28,38.87) v1(0.28,36.87) v1(0.28,34.87) v1(0.28,32.87) v1(0.28,30.87) v1(0.28,28.87) v1(0.28,26.87) v1(0.28,24.87) v1(0.28,22.87) v1(0.28,20.87) v1(0.28,18.87) v1(0.28,16.87) v1(0.28,14.87) v1(0.28,12.87) v1(0.28,10.87) v1(0.28,8.88) v1(0.28,7.13) v1(0.28,5.14) v1(0.28,3.37) v1(0.28,1.37) v1(1.25,0.35) v1(1.73,28.21) v1(2.2,40.18) v1(3.25,0.35) v1(4.2,40.18) v1(5.25,0.35) v1(6.2,40.18) v1(6.47,9.78) v1(6.52,6.7) v1(6.6,16.27) v1(7.25,0.35) v1(7.5,12.56) v1(8.2,40.18) v1(8.29,6.72) v1(9.25,0.35) v1(9.59,5.97) v1(10.2,40.18) v1(10.63,5.97) v1(11.25,0.35) v1(12.2,40.18) v1(12.3,27.66) v1(12.45,6.62) v1(13.25,0.35) v1(13.95,3.55) v1(14.2,40.18) v1(15.23,6.68) v1(15.25,0.35) v1(16.2,40.18) v1(17.21,3.31) v1(17.25,0.35) v1(17.85,17.27) v1(17.81,9.82) v1(18.2,40.18) v1(18.91,17.26) v1(19.25,0.35) v1(19.95,17.28) v1(20.2,40.18) v1(21.25,0.35) v1(21.92,12.27) v1(22.2,40.18) v1(22.37,9.82) v1(22.92,10.95) v1(23.26,1.65) v1(23.25,0.35) v1(23.52,36.53) v1(23.7,14.1) v1(24.2,40.18) v1(24.84,15.27) v1(25.05,32.66) v1(25.25,0.35) v1(25.5,7.84) v1(26.2,40.18) v1(26.5,37.92) v1(26.55,32.66) v1(26.5,3.17) v1(26.72,35.82) v1(27.25,0.35) v1(27.97,32.61) v1(28.2,40.18) v1(28.63,10.27) v1(29.2,9.3) v1(29.25,0.35) v1(29.46,35.41) v1(29.59,32.57) v1(29.76,19.11) v1(30.2,40.18) v1(30.45,20.36) v1(30.39,18.77) v1(30.58,17.84) v1(30.92,32.63) v1(31.05,39.36) v1(30.99,2.56) v1(31.1,27.87) v1(31.25,0.35) v1(32.2,40.18) v1(32.3,32.5) v1(32.55,39.36) v1(33.25,0.35) v1(34.2,40.18) v1(35.25,0.35) v1(35.56,14.47) v1(35.75,4.44) v1(36.4,40.14) v1(37.25,0.35) v1(37.74,32.46) v1(38.4,40.14) v1(39.25,0.35) v1(39.5,4.02) v1(40.45,38.81) v1(40.44,37.3) v1(40.64,39.24) v1(40.59,38.35) v1(40.83,40.14) v1(41.25,0.35) v1(42.83,40.14) v1(43.25,0.35) v1(44.44,33.03) v1(44.83,40.14) v1(45.25,0.35) v1(45.32,20.03) v1(46.83,40.14) v1(47.25,0.35) v1(48.74,5.83) v1(48.83,40.14) v1(49.25,0.35) v1(50.04,20.94) v1(50.09,37.62) v1(50.07,22.47) v1(50.83,40.14) v1(51.25,0.35) v1(51.75,38.22) v1(51.75,36.22) v1(51.75,34.22) v1(51.75,32.22) v1(51.75,30.22) v1(51.75,28.22) v1(51.75,26.22) v1(51.75,24.22) v1(51.75,22.22) v1(51.75,20.22) v1(51.75,18.22) v1(51.75,16.22) v1(51.75,14.22) v1(51.75,12.22) v1(51.75,10.22) v1(51.75,4.22) v1(51.75,2.22) v1(51.78,8.37) v1(51.78,6.37)
VCC_EMC: length 3.4
  TOP w0.127: 27.71,21.32 27.71,21.47 v1(27.43,21.74)
  TOP w0.15: 28.93,28.12 FB4.2
  TOP w0.2: v1(28.97,27.59) 28.99,27.61 FB4.2
  POWER w0.2: 28.97,27.11 v1(28.97,27.59)
  BOTTOM w0.09: C77.1 28.69,22.35 28.24,21.9
  BOTTOM w0.127: v1(28.2,21.9) 28.35,21.9 28.48,22.03 28.71,22.26
  BOTTOM w0.2: v1(28.94,23.42) 28.87,23.35 C76.1
VDD_HIGH_IN_3V3: length 6.3
  TOP w0.2: v1(33.81,13.95) 33.81,13.76 33.67,13.61
  TOP w0.25: v1(35.1,10.04) 34.35,10.04 34.17,10.23 34.17,11.5 34.96,12.3 34.96,13.38 34.71,13.63 C9.1
  TOP w0.3: C51.1 C9.1
VDD_SNVS_3V3: length 7.9
  TOP w0.15: D11.1 41.06,20.87 41.3,21.11 v1(41.89,21.11)
  TOP w0.2: v1(44.77,12.69) 44.49,12.4 44.49,6.73 44.25,6.96 C3.1
VDD_SNVS_CAP: length 1.2
  TOP w0.09: C58.1 v1(32.77,13.68)
  TOP w0.127: U7.M10 32.15,16.21
  TOP w0.2: U7.M10 31.77,16.61 v1(32.15,16.23)
VDD_SNVS_IN: length 5.4
  TOP w0.127: v1(38.84,15.53) 38.78,15.47 38.39,15.47 R43.1 ; U7.M9 v1(31.35,16.21)
  TOP w0.15: R41.2 39.9,17.89 v1(39.66,17.65)
  BOTTOM w0.127: v1(32.69,10.02) 32.69,9.96 32.79,9.86 32.79,9.68 32.57,9.47 30.44,9.47 30.26,9.64
  BOTTOM w0.2: R42.1 30.26,9.64
  vias: v1(31.03,14.22)
